# Altium PCB GEM_AFE_128.PcbDoc (part 13 of 18) (continued)
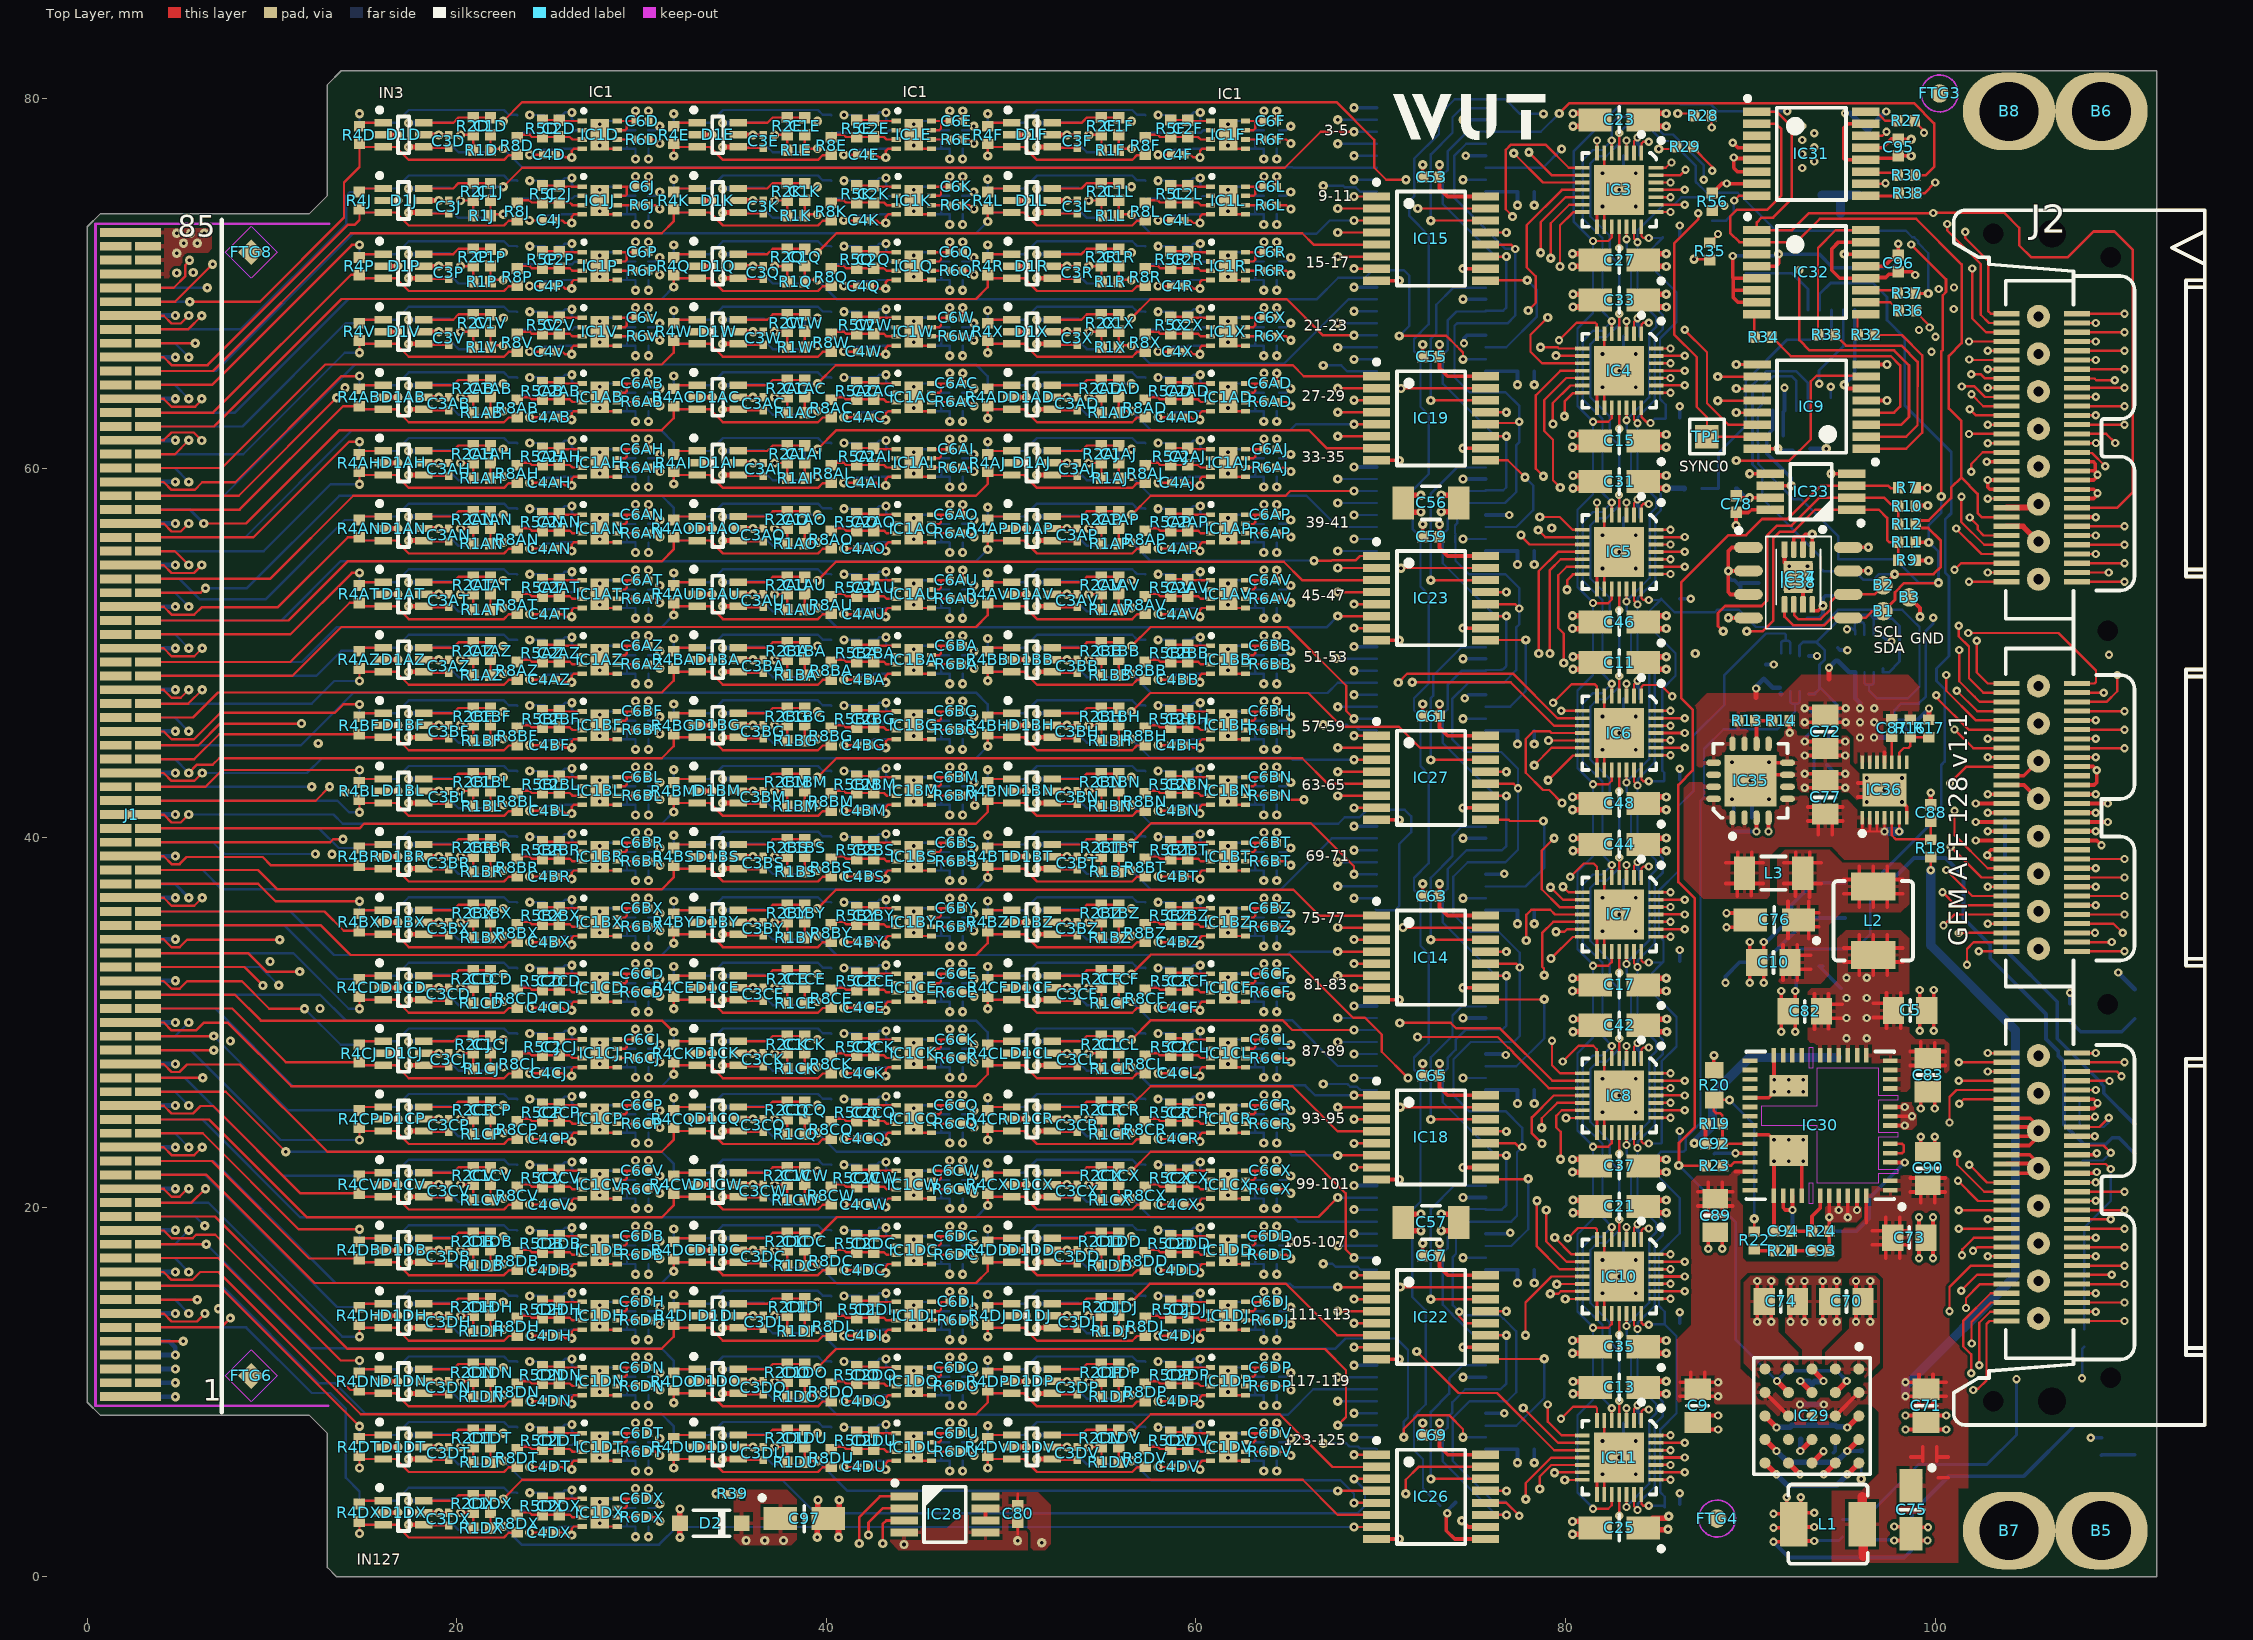
[diagram p0: Top Layer view]
## Nets (pads, with @x,y where several pads share a name; then routed paths per layer and width w, separated by ;. In a path a pad name is that pad's centre, name@x,y a point inside that pad or via, vN(x,y) a via of type N, cw(c..) or ccw(c..) an arc to the next point about the centre after c; other vN are vias at no path point) (continued)
NetIC31_9: IC31.9 R38.1 | length 1.9
  Top Layer w0.15: IC31.9@96.25,74.725 R38.1@97.898,74.725
  Top Layer w0.215: R38.1@97.898,74.725 R38.1@98.036,74.864
  Top Layer w0.254: IC31.9@96.25,74.725 IC31.9@96.262,74.713
NetIC31_10: IC31.10 R29.2 | length 12.9
  Top Layer w0.14: R29.2@86.817,77.419 87.934,76.302 v2(87.934,76.081) ; IC31.10@96.25,75.375 97.272,75.375 97.314,75.417 v2(97.314,75.414)
  L2 w0.14: v2(87.934,76.081) 91.017,76.081 92.155,74.944 95.044,74.944 95.515,75.414 v2(97.314,75.414)
NetIC31_11: IC31.11 R30.1 | length 1.6
  Top Layer w0.14: IC31.11@96.458,76.025 96.498,75.985 97.845,75.985 R30.1@97.98,75.85
NetIC31_14: IC31.14 R28.2 | length 14.4
  Top Layer w0.127: R28.2@87.903,79.068 87.9,79.065 87.9,78.436 v2(87.913,78.424) ; IC31.14@96.25,77.975 97.148,77.975 v2(97.369,78.196)
  L2 w0.127: v2(87.913,78.424) 90.117,78.424 91.738,76.803 91.738,76.615 92.117,76.235 92.927,75.426 94.366,75.426 94.877,75.937 94.877,76.87 96.203,78.196 v2(97.369,78.196)
NetIC31_16: IC31.16 R27.2 | length 1.9
  Top Layer w0.127: IC31.16@96.25,79.275 96.808,79.275 97.068,79.015 97.165,78.918 97.29,78.793 R27.2@97.952,78.793
NetIC32_8: IC32.8 R34.1 | length 1.3
  Top Layer w0.14: R34.1@90.219,67.087 90.205,67.102 90.205,68.18 IC32.8@90.35,68.325
NetIC32_9: IC32.9 R32.2 | length 1.5
  Top Layer w0.127: R32.2@95.796,67.2 95.796,68.259 95.862,68.325 IC32.9@96.25,68.325
NetIC32_10: IC32.10 R36.2 | length 2
  Top Layer w0.127: IC32.10@96.25,68.975 97.566,68.975 R36.2@98.034,68.507
NetIC32_11: IC32.11 R37.1 | length 1.8
  Top Layer w0.127: IC32.11@96.25,69.625 97.805,69.625 R37.1@97.98,69.45
NetIC32_14: IC32.14 R35.2 | length 9.1
  Top Layer w0.127: R35.2@87.803,72.195 87.823,72.195 88.263,72.635 88.226,72.635 88.226,72.642 v2(88.248,72.665)
  Top Layer w0.2: v1(95.077,71.575) IC32.14@96.2,71.575
  L2 w0.127: v2(88.248,72.665) 92.641,72.665 93.73,71.575 v1(95.077,71.575)
NetIC32_16: IC32.16 R33.2 | length 7.7
  Top Layer w0.127: R33.2@93.656,67.2 93.656,71.906 94.625,72.875 IC32.16@96.25,72.875
NetIC35_10: IC35.10 R13.1 R14.2 | length 2.2
  Top Layer w0.2: IC35.10@90.333,45.077 90.333,46.27 R13.1@90.275,46.328 R14.2@91.185,46.328
NetIC36_9: IC36.9 R16.1 R17.2 | length 2.8
  Top Layer w0.127: IC36.9@98.055,44.078 98.055,44.605 98.3,44.85 98.553,44.85 98.654,44.951 R16.1@98.654,45.437 R17.2@99.662,45.437
NetJ2_138: J2.138 TP4.1 | length 5.3
  Top Layer w0.127: J2.138@107.671,24.341 108.891,24.341 v2(109.4,24.85)
  Bottom Layer w0.127: TP4.1@107.809,25.926 TP4.1@107.809,25.926 107.81,24.607 ccw(c108.076,24.607) 108.076,24.341 109.126,24.341 109.4,24.615 v2(109.4,24.85)
NetJ2_142: J2.142 TP5.1 | length 3.7
  Top Layer w0.127: J2.142@107.671,23.341 109.109,23.341 v2(109.5,22.95)
  Bottom Layer w0.127: TP5.1@107.975,22.529 109.079,22.529 v2(109.5,22.95)
NetLD1_1: LD1.1 T1.3 | length 26.5
  Bottom Layer w0.2: T1.3@97.416,36.6 97.416,37.466 98.85,38.9 100.554,38.9 101.53,37.924 101.53,35.636 102.976,34.19 102.976,33.474 106,30.45 106,29.107 106.653,28.454 106.653,28.204 106.972,27.884 106.972,24.478 108.049,23.401 109.229,23.401 109.584,23.756 109.944,23.756 LD1.1@110.8,22.9
NetLD1_2: LD1.2 R41.1 | length 16.4
  Bottom Layer w0.2: R41.1@103.776,38.013 103.776,33.942 106.6,31.118 106.6,29.114 109.01,26.704 109.01,26.649 109.119,26.541 109.119,26.166 109.118,26.165 LD1.2@110.783,24.5
NetLD2_1: LD2.1 R43.2 | length 1.8
  Bottom Layer w0.2: R43.2@109,6.58 109.02,6.6 LD2.1@110.8,6.6
NetLD3_1: LD3.1 R44.2 | length 4
  Bottom Layer w0.2: R44.2@107.3,30.08 107.88,29.5 110.1,29.5 LD3.1@110.8,30.2
NetR21_2: R21.2 R22.1 | length 1.1
  Top Layer w0.2: R22.1@90.2,17.73 90.28,17.65 R21.2@91.28,17.65
OFFSET0: C4A.2 IC1A.4 IC3.1 | length 64.7
  Top Layer w0.127: IC3.1@84.1,77.05 84.109,77.059 84.109,77.557 84.202,77.65 v2(84.498,77.65)
  L2 w0.127: v1(26.23,79.242) 28.343,79.242 28.811,78.775 30.561,78.775 30.736,78.95 31.236,78.95 31.661,78.525 33.923,78.525 34.198,78.25 34.611,78.25 34.819,78.459 37.777,78.459 38.058,78.178 46.962,78.178 47.115,78.025 49.3,78.025 49.8,77.525 50.954,77.525 51.212,77.782 51.568,77.782 51.775,77.575 54.85,77.575 55.14,77.865 64.39,77.865 64.55,78.025 67.925,78.025 68.25,77.7 68.9,77.7 69.3,78.1 77.7,78.1 79.05,76.75 80.15,76.75 81.95,78.55 84.05,78.55 84.498,78.102 v2(84.498,77.65)
  Bottom Layer w0.127: C4A.2@25.375,79.105 25.727,79.105 25.864,79.242 v1@26.205,79.242 ; v1(26.23,79.242) 26.23,78.888 26.343,78.775 IC1A.4@26.786,78.775
OFFSET1: C4B.2 IC1B.4 IC3.28 | length 52.6
  Top Layer w0.127: IC3.28@85,76.253 85.424,76.253 85.708,76.537 v2(85.729,76.537)
  L2 w0.127: v1(43.23,79.242) 45.343,79.242 45.811,78.775 47.561,78.775 47.736,78.95 48.236,78.95 48.661,78.525 50.923,78.525 51.198,78.25 51.611,78.25 51.819,78.459 54.777,78.459 55.058,78.178 64.231,78.178 64.963,78.911 65.778,78.911 66.254,78.435 68.135,78.435 68.35,78.65 72.7,78.65 73.3,79.25 74.2,80.15 86.509,80.15 86.817,79.841 86.817,76.867 86.487,76.537 v2(85.729,76.537)
  Bottom Layer w0.127: C4B.2@42.375,79.105 42.727,79.105 42.864,79.242 v1@43.205,79.242 ; v1(43.23,79.242) 43.23,78.888 43.343,78.775 IC1B.4@43.786,78.775
OFFSET2: C4C.2 IC1C.4 IC3.27 | length 36.3
  Top Layer w0.14: IC3.27@85,75.853 86.207,75.853 v2(86.486,76.133)
  L2 w0.127: v1(60.23,79.242) 62.183,79.242 62.7,78.725 64.365,78.725 64.915,79.275 67.975,79.275 68.191,79.059 70.296,79.059
  L2 w0.14: 70.296,79.059 72.544,79.059 73.017,79.533 74.034,80.55 86.877,80.55 87.2,80.228 87.2,76.515 86.819,76.135 86.488,76.135 v2(86.486,76.133)
  Bottom Layer w0.127: C4C.2@59.375,79.105 59.727,79.105 59.864,79.242 v1@60.205,79.242 ; v1(60.23,79.242) 60.23,78.888 60.343,78.775 IC1C.4@60.786,78.775
OFFSET3: C4D.2 IC1D.4 IC3.26 | length 66.8
  Top Layer w0.127: C4D.2@25.364,76.945 25.716,76.945 25.854,76.808 v1@26.195,76.808 ; v1(26.22,76.808) 26.22,77.162 26.333,77.275 IC1D.4@26.775,77.275 ; IC3.26@85,75.453 v2(85.676,75.453)
  L2 w0.127: v1(26.22,76.808) 28.333,76.808 28.8,77.275 30.55,77.275 30.725,77.1 31.225,77.1 31.65,77.525 33.912,77.525 34.187,77.8 34.6,77.8 34.809,77.591 37.766,77.591 38.047,77.872 40.928,77.872 42,76.8 42,76.05 42.85,75.2 43.801,75.2 44.351,75.75 45.286,75.75 45.811,75.225 47.561,75.225 47.736,75.4 48.236,75.4 48.661,74.975 50.923,74.975 51.198,74.7 51.611,74.7 51.819,74.909 54.777,74.909 55.058,74.628 64.231,74.628 64.963,75.361 66.089,75.361 66.6,74.85 67.25,74.85 67.504,75.104 68.374,75.104 68.377,75.106 68.72,75.106 68.723,75.104 71.846,75.104 72.35,74.6 75.05,74.6 75.45,75 82.123,75 82.523,74.6 84.25,74.6 85.103,75.453 v2(85.676,75.453)
OFFSET4: C4E.2 IC1E.4 IC3.10 | length 42
  Top Layer w0.127: C4E.2@42.364,76.945 42.716,76.945 42.854,76.808 v1@43.195,76.808 ; v1(43.22,76.808) 43.22,77.162 43.333,77.275 IC1E.4@43.775,77.275 ; v1(77.194,77.033) 78.776,75.45 IC3.10@80.9,75.45
  L2 w0.127: v1(43.22,76.808) 45.333,76.808 45.8,77.275 47.55,77.275 47.725,77.1 48.225,77.1 48.438,77.312 48.987,77.312 49.5,76.8 56.975,76.8 57.575,77.4 61.1,77.4 61.475,77.025 61.975,77.025 62.475,77.525 64.583,77.525 64.968,77.14 67.498,77.14 67.503,77.135 67.985,77.135 68.2,77.35 69.35,77.35 69.65,77.65 76.576,77.65 v1(77.194,77.033)
OFFSET5: C4F.2 IC1F.4 IC3.9 | length 24.5
  Top Layer w0.127: C4F.2@59.364,76.945 59.716,76.945 59.854,76.808 v1@60.195,76.808 ; v1(60.22,76.808) 60.22,77.162 60.333,77.275 IC1F.4@60.775,77.275 ; v1(78.015,77.081) 79.246,75.85 IC3.9@80.9,75.85
  L2 w0.127: v1(60.22,76.808) 60.989,76.808 61.12,76.677 62.702,76.677 63.174,77.149 64.54,77.149 64.914,76.775 68.075,76.775 68.371,76.479 68.716,76.479 68.937,76.7 69.6,76.7 70.15,77.25 73.75,77.25 74.21,76.79 74.21,76.738 74.438,76.51 74.762,76.51 74.819,76.568 77.501,76.568 v1(78.015,77.081)
OFFSET6: C4G.2 IC1G.4 IC3.8 | length 63.3
  Top Layer w0.127: v1(77.129,73.604) 77.129,73.636 76.765,74.001 76.765,77.215 77.05,77.5 78.921,77.5 80.171,76.25 IC3.8@80.9,76.25
  L2 w0.127: v1(26.23,75.692) 28.343,75.692 28.811,75.225 30.561,75.225 30.736,75.4 31.236,75.4 31.661,74.975 33.923,74.975 34.198,74.7 34.611,74.7 34.819,74.909 37.777,74.909 38.058,74.628 46.962,74.628 47.115,74.475 49.3,74.475 49.8,73.975 50.954,73.975 51.212,74.232 51.568,74.232 51.775,74.025 54.85,74.025 55.14,74.315 64.39,74.315 64.55,74.475 67.975,74.475 68.2,74.25 70.9,74.25 71.55,73.6 72.2,73.6 72.55,73.95 76.784,73.95 v1(77.129,73.604)
  Bottom Layer w0.127: C4G.2@25.375,75.555 25.727,75.555 25.864,75.692 v1@26.205,75.692 ; v1(26.23,75.692) 26.23,75.338 26.343,75.225 IC1G.4@26.786,75.225
OFFSET7: C4H.2 IC1H.4 IC3.7 | length 42.4
  Top Layer w0.127: IC3.7@81.691,77.059 IC3.7@81.7,77.05 v2(81.7,77.726)
  L2 w0.127: v1(43.23,75.692) 43.788,76.25 44,76.25 69.85,76.25 70.431,76.831 73.419,76.831 74.132,76.118 80.092,76.118 v2(81.7,77.726)
  Bottom Layer w0.127: C4H.2@42.375,75.555 42.727,75.555 42.864,75.692 v1@43.205,75.692 ; v1(43.23,75.692) 43.23,75.338 43.343,75.225 IC1H.4@43.786,75.225
OFFSET8: C4I.2 IC1I.4 IC3.25 | length 31.4
  Top Layer w0.14: IC3.25@85,75.053 v2(86.447,75.053)
  L2 w0.127: v1(60.23,75.692) 62.183,75.692 62.7,75.175 64.365,75.175 64.915,75.725 68.088,75.725 68.378,76.015 68.885,76.015 69.15,75.75 70.35,75.75 70.65,76.05 71.65,76.05 72.55,75.15 74.85,75.15 75.198,75.498 81.792,75.498 84.298,75.498 84.65,75.85 85.856,75.85 86.1,75.606 86.1,75.4 v2(86.447,75.053)
  Bottom Layer w0.127: C4I.2@59.375,75.555 59.727,75.555 59.864,75.692 v1@60.205,75.692 ; v1(60.23,75.692) 60.23,75.338 60.343,75.225 IC1I.4@60.786,75.225
OFFSET9: C4J.2 IC1J.4 IC3.24 | length 68.2
  Top Layer w0.127: C4J.2@25.364,73.395 25.716,73.395 25.854,73.258 v1@26.195,73.258 ; v1(26.22,73.258) 26.22,73.612 26.333,73.725 IC1J.4@26.775,73.725 ; IC3.24@85,74.653 v2(85.676,74.653)
  L2 w0.127: v1(26.22,73.258) 28.333,73.258 28.8,73.725 30.55,73.725 30.725,73.55 31.225,73.55 31.65,73.975 33.912,73.975 34.187,74.25 34.6,74.25 34.809,74.041 37.766,74.041 38.047,74.322 41.453,74.322 43.075,72.7 66.55,72.7 66.95,72.3 70.9,72.3 71.344,71.856 74.572,71.856 75.402,71.026 77.07,71.026 77.9,71.856 78.192,71.856 79.186,72.85 85.25,72.85 85.95,73.55 86.35,73.55 86.853,74.053 86.853,74.399 86.599,74.653 v2(85.676,74.653)
OFFSET10: C4K.2 IC1K.4 IC3.23 | length 49.2
  Top Layer w0.127: C4K.2@42.364,73.395 42.716,73.395 42.854,73.258 v1@43.195,73.258 ; v1(43.22,73.258) 43.22,73.612 43.333,73.725 IC1K.4@43.775,73.725
  Top Layer w0.14: IC3.23@85,74.253 v2(86.447,74.253)
  L2 w0.127: v1(43.22,73.258) 45.333,73.258 45.8,73.725 47.55,73.725 47.725,73.55 48.225,73.55 48.438,73.762 48.987,73.762 49.5,73.25 56.975,73.25 57.575,73.85 61.1,73.85 61.475,73.475 61.975,73.475 62.475,73.975 64.583,73.975 64.968,73.59 68.04,73.59 68.3,73.85 68.75,73.85 69.3,73.3 71.1,73.3 71.8,72.6 76.071,72.6 76.627,73.156 78.506,73.156 78.789,73.439 84.539,73.439 85.353,74.253 v2(86.447,74.253)
OFFSET11: C4L.2 IC1L.4 IC3.22 | length 29.5
  Top Layer w0.127: C4L.2@59.364,73.395 59.716,73.395 59.854,73.258 v1@60.195,73.258 ; v1(60.22,73.258) 60.22,73.612 60.333,73.725 IC1L.4@60.775,73.725 ; IC3.22@85,73.853 v2(85.676,73.853)
  L2 w0.127: v1(60.22,73.258) 60.989,73.258 61.12,73.127 62.702,73.127 63.174,73.599 64.54,73.599 64.914,73.225 67.925,73.225 68.25,72.9 70.9,72.9 71.6,72.2 77.074,72.2 77.12,72.246 77.444,72.246 77.49,72.2 78.05,72.2 79.003,73.153 84.976,73.153 v2(85.676,73.853)
OFFSET12: C4M.2 IC1M.4 IC3.14 | length 61.5
  Top Layer w0.127: v1(79.7,70.9) 79.7,73.135 80.4,73.835 80.885,73.835 IC3.14@80.9,73.85
  L2 w0.127: v1(26.23,72.142) 28.343,72.142 28.811,71.675 30.561,71.675 30.736,71.85 31.236,71.85 31.661,71.425 33.923,71.425 34.198,71.15 34.611,71.15 34.819,71.359 37.777,71.359 38.058,71.078 46.962,71.078 47.115,70.925 49.3,70.925 49.8,70.425 50.954,70.425 51.212,70.682 51.568,70.682 51.775,70.475 54.85,70.475 55.14,70.765 64.39,70.765 64.55,70.925 65.475,70.925 65.95,70.45 67.9,70.45 68.15,70.2 70.15,70.2 70.65,69.7 78.5,69.7 v1(79.7,70.9)
  Bottom Layer w0.127: C4M.2@25.375,72.005 25.727,72.005 25.864,72.142 v1@26.205,72.142 ; v1(26.23,72.142) 26.23,71.788 26.343,71.675 IC1M.4@26.786,71.675
OFFSET13: C4N.2 IC1N.4 IC3.13 | length 44.3
  Top Layer w0.127: v1(79.2,71.35) 79.2,73.25 80.2,74.25 IC3.13@80.9,74.25
  L2 w0.127: v1(43.23,72.142) 45.343,72.142 45.811,71.675 47.561,71.675 47.736,71.85 48.236,71.85 48.661,71.425 50.923,71.425 51.198,71.15 51.611,71.15 51.819,71.359 54.777,71.359 55.058,71.078 64.231,71.078 64.963,71.811 65.778,71.811 66.639,70.95 67.95,70.95 68.206,71.206 70.794,71.206 71.85,70.15 77.1,70.15 77.6,70.65 78.5,70.65 v1(79.2,71.35)
  Bottom Layer w0.127: C4N.2@42.375,72.005 42.727,72.005 42.864,72.142 v1@43.205,72.142 ; v1(43.23,72.142) 43.23,71.788 43.343,71.675 IC1N.4@43.786,71.675
OFFSET14: C4O.2 IC1O.4 IC3.12 | length 26.3
  Top Layer w0.127: v1(78.65,71.65) 78.65,73.3 80,74.65 IC3.12@80.9,74.65
  L2 w0.127: v1(60.23,72.142) 62.183,72.142 62.7,71.625 64.365,71.625 64.915,72.175 66.275,72.175 66.594,71.856 70.744,71.856 71.394,71.206 74.644,71.206 75.274,70.576 77.099,70.576 77.473,70.95 77.95,70.95 v1(78.65,71.65)
  Bottom Layer w0.127: C4O.2@59.375,72.005 59.727,72.005 59.864,72.142 v1@60.205,72.142 ; v1(60.23,72.142) 60.23,71.788 60.343,71.675 IC1O.4@60.786,71.675
OFFSET15: C4P.2 IC1P.4 IC3.11 | length 64.6
  Top Layer w0.127: C4P.2@25.364,69.845 25.716,69.845 25.854,69.708 v1@26.195,69.708 ; v1(26.22,69.708) 26.22,70.062 26.333,70.175 IC1P.4@26.775,70.175 ; v1(77.975,68.525) 78.382,68.932 78.382,70.368 77.9,70.85 77.9,73.15 79.8,75.05 IC3.11@80.9,75.05
  L2 w0.127: v1(26.22,69.708) 28.333,69.708 28.8,70.175 30.55,70.175 30.725,70 31.225,70 31.65,70.425 33.912,70.425 34.187,70.7 34.6,70.7 34.809,70.491 37.766,70.491 38.047,70.772 41.453,70.772 42.932,69.292 45.278,69.292 45.421,69.15 66.15,69.15 66.4,68.9 68.85,68.9 69.3,68.45 71.752,68.45 72.314,67.888 77.338,67.888 v1(77.975,68.525)
OFFSET16: C4Q.2 IC1Q.4 IC4.1 | length 47.4
  Top Layer w0.127: C4Q.2@42.364,69.845 42.716,69.845 42.854,69.708 v1@43.195,69.708 ; v1(43.22,69.708) 43.22,70.062 43.333,70.175 IC1Q.4@43.775,70.175 ; IC4.1@84.102,67.265 84.111,67.274 84.111,67.772 84.204,67.865 v2(84.5,67.865)
  L2 w0.127: v1(43.22,69.708) 45.333,69.708 45.8,70.175 47.55,70.175 47.725,70 48.225,70 48.438,70.212 48.987,70.212 49.5,69.7 56.975,69.7 57.575,70.3 61.1,70.3 61.475,69.925 61.975,69.925 62.475,70.425 64.583,70.425 64.968,70.04 67.71,70.04 68.135,69.615 68.135,69.607 68.378,69.363 68.813,69.363 68.9,69.45 69.3,69.45 69.45,69.3 72.104,69.3 72.699,68.706 76.906,68.706 77.5,69.3 79.2,69.3 80.222,68.278 81.728,68.278 82.2,68.75 83.9,68.75 84.476,68.174 84.476,67.89 v2(84.5,67.865)
OFFSET17: C4R.2 IC1R.4 IC4.28 | length 30.3
  Top Layer w0.127: C4R.2@59.364,69.845 59.716,69.845 59.854,69.708 v1@60.195,69.708 ; v1(60.22,69.708) 60.22,70.062 60.333,70.175 IC1R.4@60.775,70.175 ; IC4.28@85,66.471 v2(85.676,66.471)
  L2 w0.127: v1(60.22,69.708) 60.989,69.708 61.12,69.577 62.702,69.577 63.174,70.049 64.54,70.049 64.914,69.675 67.525,69.675 68.071,69.129 68.945,69.129 68.948,69.126 69.074,69.126 69.346,68.854 71.919,68.854 72.48,68.293 77.143,68.293 77.8,68.95 78.9,68.95 79.834,68.016 80.384,68.016 81.75,66.65 84.2,66.65 84.379,66.471 v2(85.676,66.471)
OFFSET18: C4S.2 IC1S.4 IC4.27 | length 68.4
  Top Layer w0.14: IC4.27@85,66.071 v2(86.447,66.071)
  L2 w0.127: v1(26.23,68.592) 28.343,68.592 28.811,68.125 30.561,68.125 30.736,68.3 31.236,68.3 31.661,67.875 33.923,67.875 34.198,67.6 34.611,67.6 34.819,67.809 37.777,67.809 38.058,67.528 41.478,67.528 42.978,69.028 44.992,69.028 45.895,68.125 47.561,68.125 47.736,68.3 48.236,68.3 48.661,67.875 50.923,67.875 51.198,67.6 51.611,67.6 51.819,67.809 54.777,67.809 55.058,67.528 64.231,67.528 64.963,68.261 65.761,68.261 66.722,67.3 67.9,67.3 68.2,67.6 71.4,67.6 71.892,67.108 74.307,67.108 74.338,67.14 74.662,67.14 74.693,67.108 77.832,67.108 78.438,67.714
  L2 w0.14: 78.438,67.714 80.086,67.714 80.65,67.15 80.65,66.749 81.699,65.7 84.15,65.7 84.521,66.071 v2(86.447,66.071)
  Bottom Layer w0.127: C4S.2@25.375,68.455 25.727,68.455 25.864,68.592 v1@26.205,68.592 ; v1(26.23,68.592) 26.23,68.238 26.343,68.125 IC1S.4@26.786,68.125
OFFSET19: C4T.2 IC1T.4 IC4.26 | length 48.7
  Top Layer w0.127: IC4.26@85,65.671 v2(85.676,65.671)
  L2 w0.127: v1(43.23,68.592) 44.908,68.592 46.125,67.375 49.3,67.375 49.8,66.875 50.954,66.875 51.212,67.132 51.568,67.132 51.775,66.925 54.85,66.925 55.14,67.215 64.39,67.215 64.55,67.375 65.95,67.375 66.375,66.95 67.95,66.95 68.25,66.65 69.25,66.65 69.65,66.25 73.35,66.25 73.5,66.4 74.298,66.4 74.338,66.36 74.662,66.36 74.702,66.4 77.811,66.4 78.781,67.37 79.852,67.37 80.25,66.972 80.25,66.6 82.05,64.8 83.85,64.8 84.721,65.671 v2(85.676,65.671)
  Bottom Layer w0.127: C4T.2@42.375,68.455 42.727,68.455 42.864,68.592 v1@43.205,68.592 ; v1(43.23,68.592) 43.23,68.238 43.343,68.125 IC1T.4@43.786,68.125
OFFSET20: C4U.2 IC1U.4 IC4.10 | length 27.1
  Top Layer w0.127: v1(79.032,68.141) 78.106,67.216 78.106,66.294 78.732,65.668 IC4.10@80.9,65.668
  L2 w0.127: v1(60.23,68.592) 62.183,68.592 62.7,68.075 64.365,68.075 64.915,68.625 66.025,68.625 66.35,68.3 67.95,68.3 68.25,68 71.566,68 72.094,67.472 77.622,67.472 78.291,68.141 v1(79.032,68.141)
  Bottom Layer w0.127: C4U.2@59.375,68.455 59.727,68.455 59.864,68.592 v1@60.205,68.592 ; v1(60.23,68.592) 60.23,68.238 60.343,68.125 IC1U.4@60.786,68.125
OFFSET21: C4V.2 IC1V.4 IC4.9 | length 59
  Top Layer w0.127: C4V.2@25.364,66.295 25.716,66.295 25.854,66.158 v1@26.195,66.158 ; v1(26.22,66.158) 26.22,66.512 26.333,66.625 IC1V.4@26.775,66.625 ; v1(79.482,66.083) 79.497,66.068 IC4.9@80.9,66.068
  L2 w0.127: v1(26.22,66.158) 28.333,66.158 28.8,66.625 30.55,66.625 30.725,66.45 31.225,66.45 31.65,66.875 33.912,66.875 34.187,67.15 34.6,67.15 34.809,66.941 37.766,66.941 38.047,67.222 41.453,67.222 43.075,65.6 66,65.6 66.5,65.1 68.1,65.1 68.333,64.867 71.383,64.867 71.704,64.546 76.495,64.546 77.049,65.1 78.499,65.1 v1(79.482,66.083)
OFFSET22: C4W.2 IC1W.4 IC4.8 | length 42
  Top Layer w0.127: C4W.2@42.364,66.295 42.716,66.295 42.854,66.158 v1@43.195,66.158 ; v1(43.22,66.158) 43.22,66.512 43.333,66.625 IC1W.4@43.775,66.625 ; v1(78.64,66.529) 79.576,66.529 79.638,66.468 IC4.8@80.9,66.468
  L2 w0.127: v1(43.22,66.158) 45.333,66.158 45.8,66.625 47.55,66.625 47.725,66.45 48.225,66.45 48.438,66.662 48.987,66.662 49.5,66.15 56.975,66.15 57.575,66.75 61.1,66.75 61.475,66.375 61.975,66.375 62.475,66.875 64.583,66.875 64.968,66.49 67.081,66.49 67.506,66.064 67.924,66.064 68.159,66.3 68.8,66.3 69.35,65.75 71.749,65.75 72.069,65.429 76.129,65.429 76.683,65.983 78.094,65.983 v1(78.64,66.529)
OFFSET23: C4X.2 IC1X.4 IC4.7 | length 25.9
  Top Layer w0.127: C4X.2@59.364,66.295 59.716,66.295 59.854,66.158 v1@60.195,66.158 ; v1(60.22,66.158) 60.22,66.512 60.333,66.625 IC1X.4@60.775,66.625 ; v2(79.648,66.913) 80.598,67.864 81.603,67.864 81.694,67.773 81.694,67.273 IC4.7@81.702,67.265
  L2 w0.127: v1(60.22,66.158) 60.989,66.158 61.12,66.027 62.702,66.027 63.174,66.499 64.54,66.499 64.914,66.125 66.975,66.125 67.565,65.535 68.215,65.535 68.4,65.35 71.583,65.35 71.904,65.029 76.295,65.029 76.849,65.583 78.326,65.583 79.648,66.905 v2(79.648,66.913)
OFFSET24: C4Y.2 IC1Y.4 IC4.25 | length 68.1
  Top Layer w0.14: IC4.25@85,65.271 v2(86.447,65.271)
  L2 w0.127: v1(26.23,65.042) 28.343,65.042 28.811,64.575 30.561,64.575 30.736,64.75 31.236,64.75 31.661,64.325 33.923,64.325 34.198,64.05 34.611,64.05 34.819,64.259 37.777,64.259 38.058,63.978 46.962,63.978 47.115,63.825 49.3,63.825 49.8,63.325 50.954,63.325 51.212,63.582 51.568,63.582 51.775,63.375 54.85,63.375 55.14,63.665 64.39,63.665 64.55,63.825 65.95,63.825 66.346,63.429 68.021,63.429 68.3,63.15 69.175,63.15 69.596,62.729 74.783,62.729
  L2 w0.14: 74.783,62.729 75.779,62.729 76.485,63.435 76.973,63.435 77.17,63.238 84.238,63.238 85.468,64.468 85.882,64.468 86.3,64.05 86.65,64.05 86.853,64.253 86.853,64.865 v2(86.447,65.271)
  Bottom Layer w0.127: C4Y.2@25.375,64.905 25.727,64.905 25.864,65.042 v1@26.205,65.042 ; v1(26.23,65.042) 26.23,64.688 26.343,64.575 IC1Y.4@26.786,64.575
OFFSET25: C4Z.2 IC1Z.4 IC4.24 | length 47.8
  Top Layer w0.127: IC4.24@85,64.871 v2(85.676,64.871)
  L2 w0.127: v1(43.23,65.042) 45.343,65.042 45.811,64.575 47.561,64.575 47.736,64.75 48.236,64.75 48.661,64.325 50.923,64.325 51.198,64.05 51.611,64.05 51.819,64.259 54.777,64.259 55.058,63.978 64.231,63.978 64.963,64.711 65.689,64.711 66.6,63.8 68,63.8 68.279,64.079 69.271,64.079 69.95,63.4 72.2,63.4 72.5,63.1 75.6,63.1 76.25,63.75 77.1,63.75 77.262,63.588 84.091,63.588 85.358,64.855 85.66,64.855 v2(85.676,64.871)
  Bottom Layer w0.127: C4Z.2@42.375,64.905 42.727,64.905 42.864,65.042 v1@43.205,65.042 ; v1(43.23,65.042) 43.23,64.688 43.343,64.575 IC1Z.4@43.786,64.575
OFFSET26: C4AA.2 IC1AA.4 IC4.23 | length 31.7
  Top Layer w0.14: IC4.23@85,64.471 v2(86.447,64.471)
  L2 w0.127: v1(60.23,65.042) 62.183,65.042 62.7,64.525 64.365,64.525 64.915,65.075 65.975,65.075 66.321,64.729 68.021,64.729 68.271,64.479 68.486,64.479
  L2 w0.14: 68.486,64.479 70.171,64.479 70.8,63.85 72.2,63.85 72.45,64.1 77.2,64.1 77.377,63.923 83.956,63.923 85.301,65.268 85.89,65.268 86.051,65.107 86.15,65.008 86.15,64.769 v2(86.447,64.471)
  Bottom Layer w0.127: C4AA.2@59.375,64.905 59.727,64.905 59.864,65.042 v1@60.205,65.042 ; v1(60.23,65.042) 60.23,64.688 60.343,64.575 IC1AA.4@60.786,64.575
OFFSET27: C4AB.2 IC1AB.4 IC4.22 | length 65.8
  Top Layer w0.127: C4AB.2@25.364,62.745 25.716,62.745 25.854,62.608 v1@26.195,62.608 ; v1(26.22,62.608) 26.22,62.962 26.333,63.075 IC1AB.4@26.775,63.075 ; IC4.22@85,64.071 v2(85.676,64.071)
  L2 w0.127: v1(26.22,62.608) 28.333,62.608 28.8,63.075 30.55,63.075 30.725,62.9 31.225,62.9 31.65,63.325 33.912,63.325 34.187,63.6 34.6,63.6 34.809,63.391 37.766,63.391 38.047,63.672 41.453,63.672 43.075,62.05 66.75,62.05 67.502,61.299 67.899,61.299 68.15,61.55 74.8,61.55 75.3,61.05 77.15,61.05 77.85,61.75 79.5,61.75 80.05,62.3 80.85,62.3 81.19,61.96 82.101,61.96 83.007,62.865 83.026,62.865 83.149,62.988 85.013,62.988 85.676,63.65 v2(85.676,64.071)
OFFSET28: C4AC.2 IC1AC.4 IC4.14 | length 42.5
  Top Layer w0.127: C4AC.2@42.364,62.745 42.716,62.745 42.854,62.608 v1@43.195,62.608 ; v1(43.22,62.608) 43.22,62.962 43.333,63.075 IC1AC.4@43.775,63.075 ; v1(79.937,62.798) 79.95,62.812 79.95,63.603 80.399,64.052 80.884,64.052 IC4.14@80.9,64.068
  L2 w0.127: v1(43.22,62.608) 45.333,62.608 45.8,63.075 47.55,63.075 47.725,62.9 48.225,62.9 48.438,63.112 48.987,63.112 49.5,62.6 56.975,62.6 57.575,63.2 61.1,63.2 61.475,62.825 61.975,62.825 62.475,63.325 64.583,63.325 65.078,62.83 67.22,62.83 67.451,62.599 68.099,62.599 68.279,62.779 69.021,62.779 69.442,62.358 76.258,62.358 76.452,62.552 77,62.552 77.365,62.916 79.819,62.916 v1(79.937,62.798)
OFFSET29: C4AD.2 IC1AD.4 IC4.13 | length 25
  Top Layer w0.127: C4AD.2@59.364,62.745 59.716,62.745 59.854,62.608 v1@60.195,62.608 ; v1(60.22,62.608) 60.22,62.962 60.333,63.075 IC1AD.4@60.775,63.075 ; v1(79.324,62.378) 79.3,62.402 79.3,63.5 80.268,64.468 IC4.13@80.9,64.468
  L2 w0.127: v1(60.22,62.608) 60.989,62.608 61.12,62.477 62.702,62.477 63.174,62.949 64.54,62.949 65.024,62.465 67.135,62.465 67.35,62.25 68.075,62.25 68.377,61.949 68.72,61.949 68.722,61.95 76.35,61.95 76.55,62.15 77.298,62.15 77.352,62.097 79.01,62.097 79.291,62.378 v1(79.324,62.378)
OFFSET30: C4AE.2 IC1AE.4 IC4.12 | length 65.5
  Top Layer w0.127: v1(79.716,58.947) 79.321,59.342 79.321,61.529 78.85,62 78.85,63.682 80.036,64.868 IC4.12@80.9,64.868
  L2 w0.127: v1(26.23,61.492) 28.343,61.492 28.811,61.025 30.561,61.025 30.736,61.2 31.236,61.2 31.661,60.775 33.923,60.775 34.198,60.5 34.611,60.5 34.819,60.709 37.777,60.709 38.058,60.428 46.962,60.428 47.115,60.275 49.3,60.275 49.8,59.775 50.954,59.775 51.212,60.032 51.568,60.032 51.775,59.825 54.85,59.825 55.14,60.115 64.39,60.115 64.55,60.275 68.181,60.275 68.378,60.472 69.38,60.472 70.264,59.587 71.287,59.587 71.753,60.054 73.796,60.054 74.028,59.822 74.968,59.822 75.843,58.947 v1(79.716,58.947)
  Bottom Layer w0.127: C4AE.2@25.375,61.355 25.727,61.355 25.864,61.492 v1@26.205,61.492 ; v1(26.23,61.492) 26.23,61.138 26.343,61.025 IC1AE.4@26.786,61.025
OFFSET31: C4AF.2 IC1AF.4 IC4.11 | length 47.3
  Top Layer w0.127: v1(78.8,59.55) 78.381,59.969 78.381,63.931 79.718,65.268 IC4.11@80.9,65.268
  L2 w0.127: v1(43.23,61.492) 45.343,61.492 45.811,61.025 47.561,61.025 47.736,61.2 48.236,61.2 48.661,60.775 50.923,60.775 51.198,60.5 51.611,60.5 51.819,60.709 54.777,60.709 55.058,60.428 64.231,60.428 64.963,61.161 66.389,61.161 66.928,60.622 68.167,60.622 68.394,60.849 69.536,60.849 70.421,59.965 71.201,59.965 71.668,60.431 73.953,60.431 74.196,60.187 78.163,60.187 v1(78.8,59.55)
  Bottom Layer w0.127: C4AF.2@42.375,61.355 42.727,61.355 42.864,61.492 v1@43.205,61.492 ; v1(43.23,61.492) 43.23,61.138 43.343,61.025 IC1AF.4@43.786,61.025
OFFSET32: C4AG.2 IC1AG.4 IC5.1 | length 30.1
  Top Layer w0.127: IC5.1@84.1,57.458 84.108,57.467 84.108,57.965 84.202,58.058 v2(84.498,58.058)
  L2 w0.127: v1(60.23,61.492) 62.183,61.492 62.7,60.975 64.365,60.975 64.915,61.525 66.725,61.525 67.295,60.955 68.014,60.955 68.244,61.184 69.766,61.184 70.1,60.85 74.05,60.85 74.3,60.6 77.25,60.6 78.012,61.362 79.388,61.362 80.6,60.15 82.95,60.15 84.498,58.602 v2(84.498,58.058)
  Bottom Layer w0.127: C4AG.2@59.375,61.355 59.727,61.355 59.864,61.492 v1@60.205,61.492 ; v1(60.23,61.492) 60.23,61.138 60.343,61.025 IC1AG.4@60.786,61.025
OFFSET33: C4AH.2 IC1AH.4 IC5.28 | length 65.4
  Top Layer w0.127: C4AH.2@25.364,59.195 25.716,59.195 25.854,59.058 v1@26.195,59.058 ; v1(26.22,59.058) 26.22,59.412 26.333,59.525 IC1AH.4@26.775,59.525 ; IC5.28@85,56.664 v2(85.676,56.664)
  L2 w0.127: v1(26.22,59.058) 28.333,59.058 28.8,59.525 30.55,59.525 30.725,59.35 31.225,59.35 31.65,59.775 33.912,59.775 34.187,60.05 34.6,60.05 34.809,59.841 37.766,59.841 38.047,60.122 41.453,60.122 43.075,58.5 67.481,58.5 67.503,58.522 67.847,58.522 68.119,58.25 71.284,58.25 71.987,58.953 73.456,58.953 74.508,57.9 78.85,57.9 80.85,55.9 84.912,55.9 v2(85.676,56.664)
OFFSET34: C4AI.2 IC1AI.4 IC5.27 | length 50.4
  Top Layer w0.127: C4AI.2@42.364,59.195 42.716,59.195 42.854,59.058 v1@43.195,59.058 ; v1(43.22,59.058) 43.22,59.412 43.333,59.525 IC1AI.4@43.775,59.525
  Top Layer w0.14: IC5.27@85,56.264 v2(86.447,56.264)
  L2 w0.127: v1(43.22,59.058) 45.333,59.058 45.8,59.525 47.55,59.525 47.725,59.35 48.225,59.35 48.438,59.562 48.987,59.562 49.5,59.05 56.975,59.05 57.575,59.65 61.1,59.65 61.475,59.275 61.975,59.275 62.475,59.775 64.583,59.775 64.968,59.39 66.947,59.39 67.413,59.855 67.979,59.855 68.335,59.5 68.95,59.5 69.25,59.2 71.292,59.2 71.742,59.65 73.62,59.65 74.612,58.659 75.4,58.659
  L2 w0.14: 75.4,58.659 79.164,58.659 80.712,57.111 85.161,57.111 85.35,57.3 86,57.3 86.447,56.853 v2(86.447,56.264)
OFFSET35: C4AJ.2 IC1AJ.4 IC5.26 | length 31.7
  Top Layer w0.127: C4AJ.2@59.364,59.195 59.716,59.195 59.854,59.058 v1@60.195,59.058 ; v1(60.22,59.058) 60.22,59.412 60.333,59.525 IC1AJ.4@60.775,59.525 ; IC5.26@85,55.864 v2(85.676,55.864)
  L2 w0.127: v1(60.22,59.058) 60.989,59.058 61.12,58.927 62.702,58.927 63.174,59.399 64.54,59.399 65.097,58.842 67.811,58.842 68.142,59.172 68.778,59.172 69.15,58.8 71.332,58.8 71.832,59.3 73.525,59.3 74.538,58.287 79.01,58.287 80.509,56.788 85.248,56.788 85.514,57.054 85.837,57.054 86.066,56.825 86.066,56.502 86.05,56.486 86.05,56.238 v2(85.676,55.864)
OFFSET36: C4AK.2 IC1AK.4 IC5.10 | length 59
  Top Layer w0.127: v1(77.587,56.381) 77.587,56.324 78.05,55.861 IC5.10@80.9,55.861
  L2 w0.127: v1(26.23,57.942) 28.343,57.942 28.811,57.475 30.561,57.475 30.736,57.65 31.236,57.65 31.661,57.225 33.923,57.225 34.198,56.95 34.611,56.95 34.819,57.159 37.777,57.159 38.058,56.878 46.962,56.878 47.115,56.725 49.3,56.725 49.8,56.225 50.954,56.225 51.212,56.482 51.568,56.482 51.775,56.275 54.85,56.275 55.14,56.565 64.39,56.565 64.55,56.725 65.425,56.725 65.526,56.624 70.676,56.624 71.2,56.1 72.797,56.1 73.395,55.502 75.864,55.502 76.743,56.381 v1(77.587,56.381)
  Bottom Layer w0.127: C4AK.2@25.375,57.805 25.727,57.805 25.864,57.942 v1@26.205,57.942 ; v1(26.23,57.942) 26.23,57.588 26.343,57.475 IC1AK.4@26.786,57.475